# Altium PCB KlusterLab r2.0.PcbDoc (part 21 of 22)
Units mm, origin at the board's own origin, x right, y up, seen from the top; angles counter-clockwise.
Board outline 232 x 250 mm, 12 copper layers (L1 Top, L2 Inner1 (GND), L3 Inner2 (Sig), L4 Inner3 (GND), L5 Inner4 (PWR), L6 Inner5 (PWR), L7 Inner6 (PWR), L8 Inner7 (PWR), L9 Inner8 (GND), L10 Inner9 (Sig), L11 Inner10 (GND), L12 Bottom), stack 1.614 mm thick; 1169 components, 852 nets, 4679 pads, 5115 vias.
Unrouted connection lines stored in the file: 1.
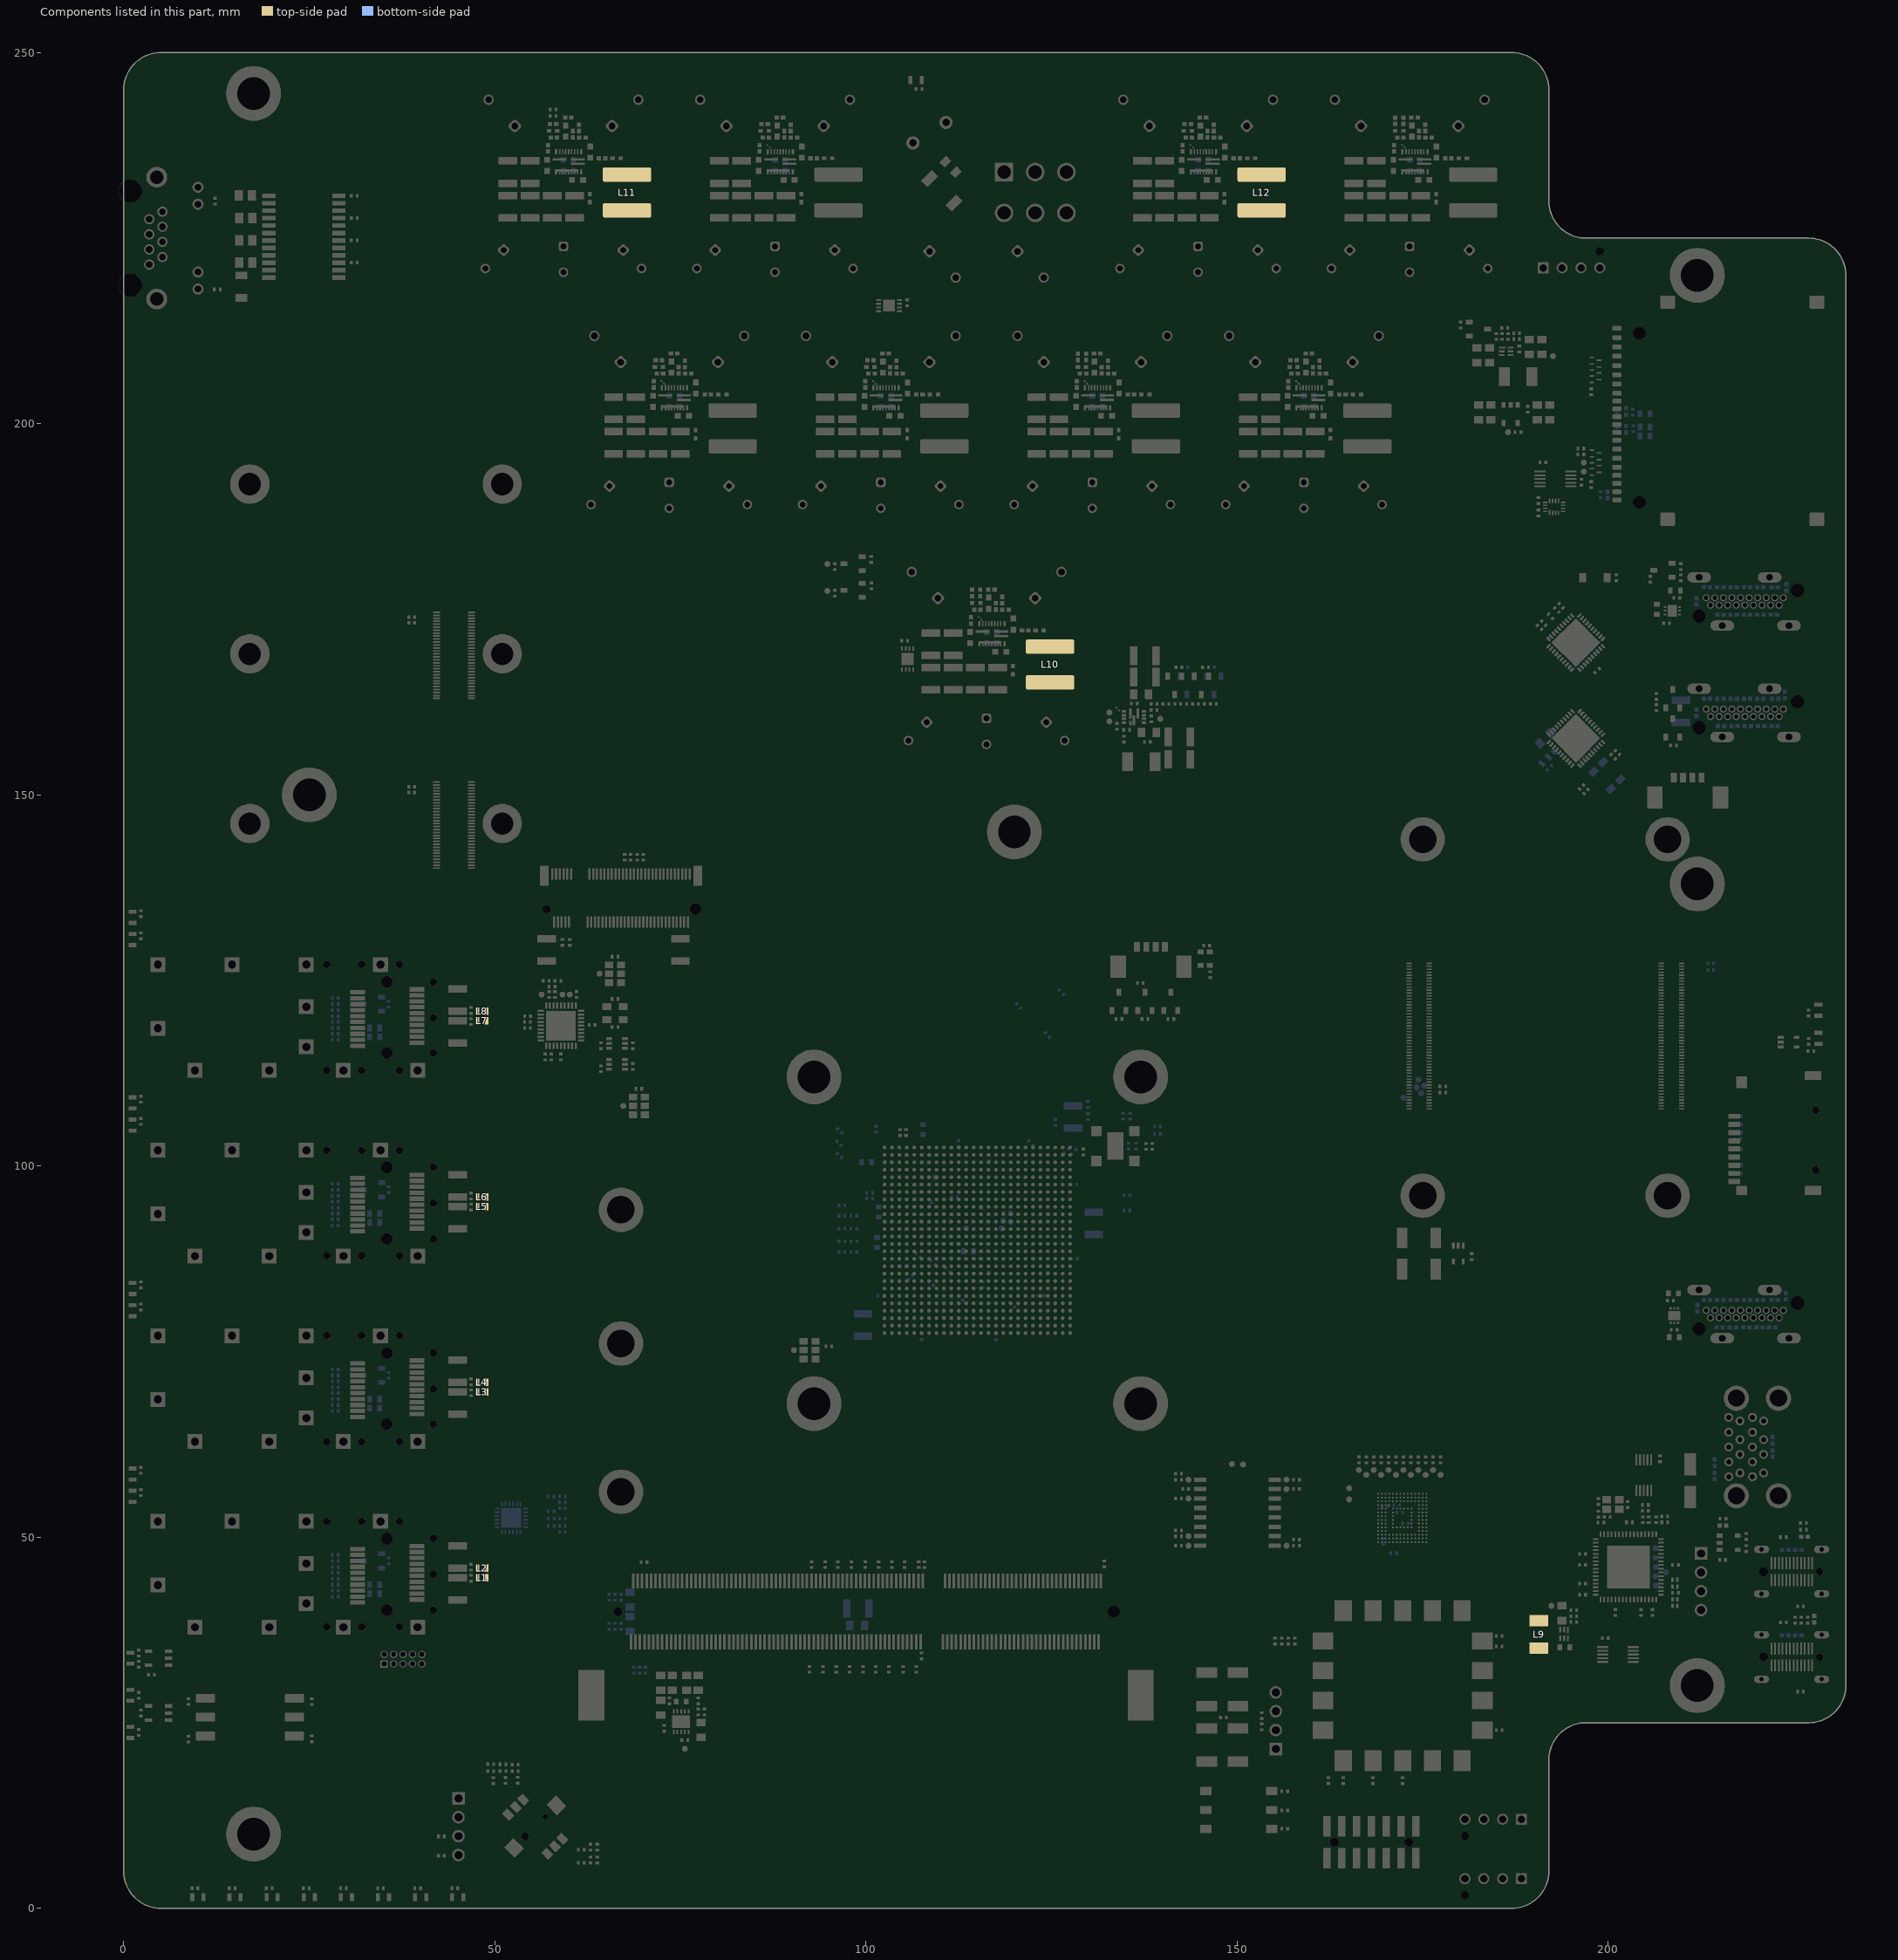
[diagram p31: the components of this part, seen from the top]

## Polygon pours and split planes (outlines as drawn) (continued)
VCC5V on L12 Bottom "L12-VCC5V" (solid, pour order 108): 137.5,129.6 137.8,129.9 143.8,129.9 144.51,130.61 147.617,130.633 148.35,129.9 152.45,129.9 152.6,129.75 152.6,128.65 152.45,128.5 148.55,128.5 147.8,127.75 144.275,127.75 143.525,128.5 137.8,128.5 137.5,128.8
GND on L12 Bottom "L12-GND" (solid, remove dead copper, pour order 247): 5,0 cw(c5,5) 0,5 0,245 cw(c5,245) 5,250 187,250 cw(c187,245) 192,245 192,230 ccw(c197,230) 197,225 227,225 cw(c227,220) 232,220 232,30 cw(c227,30) 227,25 197,25 ccw(c197,20) 192,20 192,5 cw(c187,5) 187,0
GND on L12 Bottom "L12-GND" (solid, pour order 91): 192.282,157.604 195.632,160.954 199.068,157.518 195.718,154.168
VCC12V on L12 Bottom "L12-VCC12V" (solid, pour order 231): 50.1,234.45 50,234.55 50,239.6 52.25,241.85 66,241.85 67.25,240.6 67.25,239.3 62.95,235 59.65,235 56.6,235 56.05,234.45
VCC12V on L12 Bottom "L12-VCC12V" (solid, pour order 189): 149.85,202.65 149.75,202.75 149.75,207.8 152,210.05 165.75,210.05 167,208.8 167,207.5 162.7,203.2 159.4,203.2 156.35,203.2 155.8,202.65
VCC12V on L12 Bottom "L12-VCC12V" (solid, pour order 201): 78.6,234.45 78.5,234.55 78.5,239.6 80.75,241.85 94.5,241.85 95.75,240.6 95.75,239.3 91.45,235 88.15,235 85.1,235 84.55,234.45
VCC12V on L12 Bottom "L12-VCC12V" (solid, pour order 205): 135.6,234.45 135.5,234.55 135.5,239.6 137.75,241.85 151.5,241.85 152.75,240.6 152.75,239.3 148.45,235 145.15,235 142.1,235 141.55,234.45
VCC12V on L12 Bottom "L12-VCC12V" (solid, pour order 191): 164.1,234.45 164,234.55 164,239.6 166.25,241.85 180,241.85 181.25,240.6 181.25,239.3 176.95,235 173.65,235 170.6,235 170.05,234.45
VCC12V on L12 Bottom "L12-VCC12V" (solid, pour order 193): 121.35,202.65 121.25,202.75 121.25,207.8 123.5,210.05 137.25,210.05 138.5,208.8 138.5,207.5 134.2,203.2 130.9,203.2 127.85,203.2 127.3,202.65
VCC12V on L12 Bottom "L12-VCC12V" (solid, pour order 203): 92.85,202.65 92.75,202.75 92.75,207.8 95,210.05 108.75,210.05 110,208.8 110,207.5 105.7,203.2 102.4,203.2 99.35,203.2 98.8,202.65
VCC12V on L12 Bottom "L12-VCC12V" (solid, pour order 199): 64.35,202.65 64.25,202.75 64.25,207.8 66.5,210.05 80.25,210.05 81.5,208.8 81.5,207.5 77.2,203.2 73.9,203.2 70.85,203.2 70.3,202.65
VCC12V on L12 Bottom "L12-VCC12V" (solid, pour order 187): 121.35,170.85 121.25,170.95 121.25,176 123.5,178.25 137.25,178.25 138.5,177 138.5,175.7 134.2,171.4 130.9,171.4 127.85,171.4 127.3,170.85
VCC1V0_FPGA on L12 Bottom "L12-VCC1V0_FPGA" (solid, pour order 215): 121.25,165.65 121.35,165.75 132.85,165.75 133.85,166.75 142.3,166.75 142.45,166.6 142.45,164.05 140.25,161.85 140.25,159.5 139.25,158.5 121.75,158.5 121.25,159
VCC1V5 on L12 Bottom "L12-VCC1V5" (solid, pour order 211): 78.5,229.25 78.6,229.35 90.1,229.35 91.1,230.35 99.55,230.35 99.7,230.2 99.7,227.65 97.5,225.45 97.5,223.1 96.5,222.1 79,222.1 78.5,222.6
VCC1V8 on L12 Bottom "L12-VCC1V8" (solid, pour order 223): 135.5,229.25 135.6,229.35 147.1,229.35 148.1,230.35 156.55,230.35 156.7,230.2 156.7,227.65 154.5,225.45 154.5,223.1 153.5,222.1 136,222.1 135.5,222.6
MGTAVCC on L12 Bottom "L12-MGTAVCC" (solid, pour order 221): 121.25,197.45 121.35,197.55 132.85,197.55 133.85,198.55 142.3,198.55 142.45,198.4 142.45,195.85 140.25,193.65 140.25,191.3 139.25,190.3 121.75,190.3 121.25,190.8
VCC2V5 on L12 Bottom "L12-VCC2V5" (solid, pour order 219): 164,229.25 164.1,229.35 175.6,229.35 176.6,230.35 185.05,230.35 185.2,230.2 185.2,227.65 183,225.45 183,223.1 182,222.1 164.5,222.1 164,222.6
VCC3V3 on L12 Bottom "L12-VCC3V3" (solid, pour order 217): 149.75,197.45 149.85,197.55 161.35,197.55 162.35,198.55 170.8,198.55 170.95,198.4 170.95,195.85 168.75,193.65 168.75,191.3 167.75,190.3 150.25,190.3 149.75,190.8
MGTAVTT on L12 Bottom "L12-MGTAVTT" (solid, pour order 213): 92.75,197.45 92.85,197.55 104.35,197.55 105.35,198.55 113.8,198.55 113.95,198.4 113.95,195.85 111.75,193.65 111.75,191.3 110.75,190.3 93.25,190.3 92.75,190.8
VCC1V8_AUX on L12 Bottom "L12-VCC1V8_AUX" (solid, pour order 209): 64.25,197.45 64.35,197.55 75.85,197.55 76.85,198.55 85.3,198.55 85.45,198.4 85.45,195.85 83.25,193.65 83.25,191.3 82.25,190.3 64.75,190.3 64.25,190.8
VCC5V on L12 Bottom "L12-VCC5V" (solid, pour order 207): 50,229.25 50.1,229.35 61.6,229.35 62.6,230.35 71.05,230.35 71.2,230.2 71.2,227.65 69,225.45 69,223.1 68,222.1 50.5,222.1 50,222.6
VCC12V on L12 Bottom "L12-VCC12V" (solid, pour order 197): 50.1,234.45 50,234.55 50,239.6 52.25,241.85 66,241.85 67.25,240.6 67.25,239.3 62.95,235 59.65,235 56.6,235 56.05,234.45
GND on L12 Bottom "L12-GND" (solid, pour order 179): 65.2,42.1 68.6,42.1 70,40.7 70.3,40.7 70.4,40.8 70.4,41.8 69.1,43.1 65.8,43.1 65.2,42.5
VCC1V5 on L12 Bottom "L12-VCC1V5" (solid, pour order 106): 65.2,37.8 68.6,37.8 70,39.2 70.3,39.2 70.4,39.1 70.4,38.1 69.1,36.8 65.8,36.8 65.2,37.4
GND on L12 Bottom "L12-GND" (solid, pour order 7): 192.247,170.504 195.597,173.854 198.947,170.504 195.597,167.154
VTTDDR on L12 Bottom "L12-VTTDDR" (solid, pour order 97): 65.2,41.7 68.3,41.7 68.9,41.1 68.9,38.8 68.3,38.2 65.2,38.2 65.1,38.3 65.1,41.6
VCC5V on L6 Inner5 (PWR) "L6-VCC5V" (solid, remove dead copper, pour order 235): 5,0 cw(c5,5) 0,5 0,245 cw(c5,245) 5,250 187,250 cw(c187,245) 192,245 192,230 ccw(c197,230) 197,225 227,225 cw(c227,220) 232,220 232,30 cw(c227,30) 227,25 197,25 ccw(c197,20) 192,20 192,5 cw(c187,5) 187,0
VCC1V0_FPGA on L6 Inner5 (PWR) "L6-VCC1V0_FPGA" (solid, pour order 176): 86.5,166.5 129.2,166.5 134.417,160.65 144.45,160.65 148,157.1 148,140.4 148,101.5 132.5,86 113.4,86 106.5,86 105.299,87.199 93.9,87.199 85.8,95.331 85.8,165.8
VCC1V5 on L6 Inner5 (PWR) "L6-VCC1V5" (solid, pour order 105): 67.5,218.55 78.95,230 99.85,230 100.4,229.45 100.4,210.05 85.3,194.95 85.3,173.5 85.3,95.2 93.7,86.8 103.4,86.8 104.5,86.8 105.4,86.8 106.5,85.7 132.5,85.7 132.5,81 132.5,39.9 121.1,28.5 72.5,28.5 67.5,33.5 67.5,186.8
+1V1 on L6 Inner5 (PWR) "L6-+1V1" (solid, pour order 101): 195.45,50.8 197.35,52.7 203.65,52.7 203.9,52.45 205.75,52.45 205.872,52.328 205.872,42.728 206.6,42 206.6,40.2 206.15,39.75 200.35,39.75 199.955,39.75 194.15,39.75 192.9,41.1 192.9,44.5 195.45,47.05
MGTAVCC on L7 Inner6 (PWR) "L7-MGTAVCC" (solid, pour order 114): 117.3,198.15 116.75,197.6 116.75,195.4 106.2,184.85 106.2,92.9 106.9,92.2 107.8,92.2 108.6,93 113.25,93 113.8,93.55 113.8,94.05 114.25,94.5 116.1,94.5 123.51,94.5 148.9,119.89 148.9,198.15
VCC2V5 on L7 Inner6 (PWR) "L7-VCC2V5" (solid, remove dead copper, pour order 236): 5,0 cw(c5,5) 0,5 0,84.9 106.7,84.9 107.9,86.1 113.7,86.1 114,86.4 114,94 114.2,94.2 123.8,94.2 149.15,119.55 149.15,213.15 166,230 185,230 185.722,229.278 185.722,195.978 188.2,193.5 232,193.5 232,30 cw(c227,30) 227,25 197,25 ccw(c197,20) 192,20 192,5 cw(c187,5) 187,0
VCC1V8_AUX on L7 Inner6 (PWR) "L7-VCC1V8_AUX" (solid, pour order 116): 106.5,90.8 107,91.3 107,91.7 107.294,91.994 107.894,91.994 108.3,92.4 108.3,92.6 108.4,92.7 113.6,92.7 113.7,92.6 113.7,86.7 113.4,86.4 109.7,86.4 107.4,86.4 106.2,85.2 59.5,85.2 59,85.7 59,197.702 59.448,198.15 86.283,198.15 86.7,197.752 86.7,194.45 80.9,188.65 80.9,106.9 97,90.8
GND on L7 Inner6 (PWR) "L7-GND" (solid, remove dead copper, pour order 237): 58.786,85.686 58.25,85.15 0,85.15 0,245 cw(c5,245) 5,250 187,250 cw(c187,245) 192,245 192,230 ccw(c197,230) 197,225 227,225 cw(c227,220) 232,220 232,193.7 188.3,193.7 185.9,196.1 185.9,229.4 185.093,230.204 165.904,230.204 148.95,213.25 148.9,198.35 59.4,198.35 58.786,197.75
MGTAVTT on L7 Inner6 (PWR) "L7-MGTAVTT" (solid, pour order 113): 106.45,91.1 106.75,91.4 106.75,91.85 105.9,92.7 105.9,184.9 116.5,195.5 116.5,197.6 115.95,198.15 87.3,198.15 86.9,197.75 86.9,194.25 81.3,188.65 81.3,107 97.2,91.1
VCC1V8 on L5 Inner4 (PWR) "L5-VCC1V8" (solid, remove dead copper, pour order 229): 5,0 cw(c5,5) 0,5 0,245 cw(c5,245) 5,250 187,250 cw(c187,245) 192,245 192,230 ccw(c197,230) 197,225 227,225 cw(c227,220) 232,220 232,30 cw(c227,30) 227,25 197,25 ccw(c197,20) 192,20 192,5 cw(c187,5) 187,0
NetF1_1 on L5 Inner4 (PWR) "L5-NetF1-1" (solid, remove dead copper, pour order 227): 108.75,243 109.25,243.5 126.5,243.5 129,241 129,232.75 128,231.75 116.45,231.75 108.75,239.45
VTTVREF on L5 Inner4 (PWR) "L5-VTTREF" (solid, pour order 228): 119.8,85 120,84.8 120,62.1 134.8,47.3 134.8,32.3 123.9,21.4 74.3,21.4 72.6,23.1 72.6,55.7 92.1,75.2 94.7,75.2 95,75.5 95,78.1 101.9,85
GND on L3 Inner2 (Sig) "L3-GND" (solid, remove dead copper, pour order 245): 5,0 cw(c5,5) 0,5 0,245 cw(c5,245) 5,250 187,250 cw(c187,245) 192,245 192,230 ccw(c197,230) 197,225 227,225 cw(c227,220) 232,220 232,30 cw(c227,30) 227,25 197,25 ccw(c197,20) 192,20 192,5 cw(c187,5) 187,0
VCC12V on L3 Inner2 (Sig) "L3-VCC12V" (solid, remove dead copper, pour order 112): 187.5,247.5 187.5,179.6 174.9,167 98.9,167 85.8,180.1 85.8,188.6 77.7,196.7 46.1,196.7 44.2,198.6 44.2,246.95 45.25,248 187,248
GND on L2 Inner1 (GND) "L2-GND" (solid, remove dead copper, pour order 240): 5,0 cw(c5,5) 0,5 0,245 cw(c5,245) 5,250 187,250 cw(c187,245) 192,245 192,230 ccw(c197,230) 197,225 227,225 cw(c227,220) 232,220 232,30 cw(c227,30) 227,25 197,25 ccw(c197,20) 192,20 192,5 cw(c187,5) 187,0
GND on L4 Inner3 (GND) "L4-GND" (solid, remove dead copper, pour order 241): 5,0 cw(c5,5) 0,5 0,245 cw(c5,245) 5,250 187,250 cw(c187,245) 192,245 192,230 ccw(c197,230) 197,225 227,225 cw(c227,220) 232,220 232,30 cw(c227,30) 227,25 197,25 ccw(c197,20) 192,20 192,5 cw(c187,5) 187,0
GND on L9 Inner8 (GND) "L9-GND" (solid, remove dead copper, pour order 242): 5,0 cw(c5,5) 0,5 0,245 cw(c5,245) 5,250 187,250 cw(c187,245) 192,245 192,230 ccw(c197,230) 197,225 227,225 cw(c227,220) 232,220 232,30 cw(c227,30) 227,25 197,25 ccw(c197,20) 192,20 192,5 cw(c187,5) 187,0
GND on L11 Inner10 (GND) "L11-GND" (solid, remove dead copper, pour order 243): 5,0 cw(c5,5) 0,5 0,245 cw(c5,245) 5,250 187,250 cw(c187,245) 192,245 192,230 ccw(c197,230) 197,225 227,225 cw(c227,220) 232,220 232,30 cw(c227,30) 227,25 197,25 ccw(c197,20) 192,20 192,5 cw(c187,5) 187,0
GND on L10 Inner9 (Sig) "L10-GND" (solid, remove dead copper, pour order 246): 5,0 cw(c5,5) 0,5 0,245 cw(c5,245) 5,250 187,250 cw(c187,245) 192,245 192,230 ccw(c197,230) 197,225 227,225 cw(c227,220) 232,220 232,30 cw(c227,30) 227,25 197,25 ccw(c197,20) 192,20 192,5 cw(c187,5) 187,0

## Keep-outs
L2 Inner1 (GND):
  circle w0.5: c113.5,100.5 r0.01
  circle w0.5: c112.5,100.5 r0.01
  circle w0.5: c124.5,89.5 r0.01
  circle w0.5: c124.5,90.5 r0.01
  circle w0.5: c126.5,78.5 r0.01
  circle w0.5: c126.5,79.5 r0.01
  circle w0.5: c121.5,89.5 r0.01
  circle w0.5: c120.5,89.5 r0.01
  circle w0.5: c120.5,90.5 r0.01
  circle w0.5: c121.5,91.5 r0.01
  circle w0.5: c116.5,102.5 r0.01
  circle w0.5: c115.5,102.5 r0.01
  circle w0.5: c102.5,80.5 r0.01
  circle w0.5: c102.5,81.5 r0.01
  circle w0.5: c110.5,99.5 r0.01
  circle w0.5: c109.5,99.5 r0.01
  circle w0.5: c110.5,100.5 r0.01
  circle w0.5: c110.5,101.5 r0.01
  circle w0.5: c111.5,101.5 r0.01
  circle w0.5: c111.5,102.5 r0.01
  circle w0.5: c112.5,101.5 r0.01
  circle w0.5: c113.5,101.5 r0.01
  circle w0.5: c116.5,101.5 r0.01
  circle w0.5: c115.5,101.5 r0.01
  circle w0.5: c114.5,99.5 r0.01
  circle w0.5: c115.5,99.5 r0.01
  circle w0.5: c115.5,100.5 r0.01
  circle w0.5: c114.5,100.5 r0.01
  circle w0.5: c115.5,95.5 r0.01
  circle w0.5: c115.5,96.5 r0.01
  circle w0.5: c127.5,93.5 r0.01
  circle w0.5: c126.5,93.5 r0.01
  circle w0.5: c126.5,91.5 r0.01
  circle w0.5: c126.5,92.5 r0.01
  circle w0.5: c125.5,90.5 r0.01
  circle w0.5: c125.5,89.5 r0.01
  circle w0.5: c126.5,88.5 r0.01
  circle w0.5: c127.5,88.5 r0.01
  circle w0.5: c127.5,89.5 r0.01
  circle w0.5: c126.5,89.5 r0.01
  circle w0.5: c123.5,86.5 r0.01
  circle w0.5: c124.5,85.5 r0.01
  circle w0.5: c124.5,84.5 r0.01
  circle w0.5: c125.5,84.5 r0.01
  circle w0.5: c125.5,82.5 r0.01
  circle w0.5: c123.5,82.5 r0.01
  circle w0.5: c124.5,82.5 r0.01
  circle w0.5: c125.5,81.5 r0.01
  circle w0.5: c119.5,77.5 r0.01
  circle w0.5: c119.5,78.5 r0.01
  circle w0.5: c121.5,78.5 r0.01
  circle w0.5: c121.5,79.5 r0.01
  circle w0.5: c120.5,84.5 r0.01
  circle w0.5: c119.5,84.5 r0.01
  circle w0.5: c117.5,83.5 r0.01
  circle w0.5: c116.5,83.5 r0.01
  circle w0.5: c112.5,80.5 r0.01
  circle w0.5: c112.5,81.5 r0.01
  circle w0.5: c106.5,77.5 r0.01
  circle w0.5: c105.5,77.5 r0.01
  circle w0.5: c106.5,81.5 r0.01
  circle w0.5: c106.5,82.5 r0.01
  circle w0.5: c107.5,84.5 r0.01
  circle w0.5: c106.5,84.5 r0.01
  circle w0.5: c107.5,101.5 r0.01
  circle w0.5: c106.5,101.5 r0.01
  circle w0.5: c105.5,102.5 r0.01
  circle w0.5: c104.5,102.5 r0.01
  circle w0.5: c103.5,101.5 r0.01
  circle w0.5: c102.5,101.5 r0.01
  circle w0.5: c105.5,100.5 r0.01
  circle w0.5: c104.5,100.5 r0.01
  circle w0.5: c103.5,95.5 r0.01
  circle w0.5: c102.5,95.5 r0.01
  circle w0.5: c105.5,94.5 r0.01
  circle w0.5: c104.5,94.5 r0.01
  circle w0.5: c105.5,92.5 r0.01
  circle w0.5: c104.5,92.5 r0.01
  circle w0.5: c103.5,91.5 r0.01
  circle w0.5: c102.5,91.5 r0.01
  circle w0.5: c105.5,90.5 r0.01
  circle w0.5: c104.5,90.5 r0.01
  circle w0.5: c103.5,89.5 r0.01
  circle w0.5: c102.5,89.5 r0.01
  circle w0.5: c105.5,88.5 r0.01
  circle w0.5: c104.5,88.5 r0.01
  circle w0.5: c103.5,93.5 r0.01
  circle w0.5: c102.5,93.5 r0.01
  region: 200.665,192.265 201.66,192.265 cw(c201.66,192.126) 201.799,192.126 201.799,191.749 cw(c201.665,191.749) 201.665,191.615 200.66,191.615 cw(c200.66,191.726) 200.549,191.726 200.549,192.149 cw(c200.665,192.149)
  region: 200.665,193.365 201.66,193.365 cw(c201.66,193.226) 201.799,193.226 201.799,192.849 cw(c201.665,192.849) 201.665,192.715 200.66,192.715 cw(c200.66,192.826) 200.549,192.826 200.549,193.249 cw(c200.665,193.249)
  region: 200.665,196.915 201.66,196.915 cw(c201.66,196.776) 201.799,196.776 201.799,196.399 cw(c201.665,196.399) 201.665,196.265 200.66,196.265 cw(c200.66,196.376) 200.549,196.376 200.549,196.799 cw(c200.665,196.799)
  region: 200.665,199.165 201.66,199.165 cw(c201.66,199.026) 201.799,199.026 201.799,198.649 cw(c201.665,198.649) 201.665,198.515 200.66,198.515 cw(c200.66,198.626) 200.549,198.626 200.549,199.049 cw(c200.665,199.049)
  region: 200.665,206.915 201.66,206.915 cw(c201.66,206.776) 201.799,206.776 201.799,206.399 cw(c201.665,206.399) 201.665,206.265 200.66,206.265 cw(c200.66,206.376) 200.549,206.376 200.549,206.799 cw(c200.665,206.799)
  region: 200.665,209.415 201.66,209.415 cw(c201.66,209.276) 201.799,209.276 201.799,208.899 cw(c201.665,208.899) 201.665,208.765 200.66,208.765 cw(c200.66,208.876) 200.549,208.876 200.549,209.299 cw(c200.665,209.299)
  region: 38.502,43.7 40.499,43.7 cw(c40.5,43.5) 40.7,43.499 40.7,42.1 cw(c40.499,42.099) 40.499,41.899 38.502,41.899 cw(c38.501,42.099) 38.301,42.1 38.304,43.502 cw(c38.502,43.502)
  region: 38.502,48.5 40.499,48.5 cw(c40.5,48.3) 40.7,48.299 40.7,46.9 cw(c40.499,46.899) 40.499,46.699 38.502,46.699 cw(c38.501,46.899) 38.301,46.9 38.304,48.302 cw(c38.502,48.302)
  region: 38.502,68.7 40.499,68.7 cw(c40.5,68.5) 40.7,68.499 40.7,67.1 cw(c40.499,67.099) 40.499,66.899 38.502,66.899 cw(c38.501,67.099) 38.301,67.1 38.304,68.502 cw(c38.502,68.502)
  region: 38.502,73.5 40.499,73.5 cw(c40.5,73.3) 40.7,73.299 40.7,71.9 cw(c40.499,71.899) 40.499,71.699 38.502,71.699 cw(c38.501,71.899) 38.301,71.9 38.304,73.302 cw(c38.502,73.302)
  region: 38.502,93.7 40.499,93.7 cw(c40.5,93.5) 40.7,93.499 40.7,92.1 cw(c40.499,92.099) 40.499,91.899 38.502,91.899 cw(c38.501,92.099) 38.301,92.1 38.304,93.502 cw(c38.502,93.502)
  region: 38.502,98.5 40.499,98.5 cw(c40.5,98.3) 40.7,98.299 40.7,96.9 cw(c40.499,96.899) 40.499,96.699 38.502,96.699 cw(c38.501,96.899) 38.301,96.9 38.304,98.302 cw(c38.502,98.302)
  region: 38.502,118.7 40.499,118.7 cw(c40.5,118.5) 40.7,118.499 40.7,117.1 cw(c40.499,117.099) 40.499,116.899 38.502,116.899 cw(c38.501,117.099) 38.301,117.1 38.304,118.502 cw(c38.502,118.502)
  region: 38.502,123.5 40.499,123.5 cw(c40.5,123.3) 40.7,123.299 40.7,121.9 cw(c40.499,121.899) 40.499,121.699 38.502,121.699 cw(c38.501,121.899) 38.301,121.9 38.304,123.302 cw(c38.502,123.302)
  region: 209.5,123 210.2,123 210.2,122.8 209.5,122.8
  region: 209.5,123.4 210.2,123.4 210.2,123.2 209.5,123.2
  region: 209.5,124.2 210.2,124.2 210.2,124 209.5,124
  region: 209.5,124.6 210.2,124.6 210.2,124.4 209.5,124.4
  region: 209.5,125.4 210.2,125.4 210.2,125.2 209.5,125.2
  region: 209.5,125.8 210.2,125.8 210.2,125.6 209.5,125.6
  region: 130.6,34.9 130.6,36.9 130.9,36.9 130.9,34.9
  region: 130,34.9 130,36.9 130.3,36.9 130.3,34.9
  region: 128.8,34.9 128.8,36.9 129.1,36.9 129.1,34.9
  region: 128.2,34.9 128.2,36.9 128.5,36.9 128.5,34.9
  region: 127,34.9 127,36.9 127.3,36.9 127.3,34.9
  region: 126.4,34.9 126.4,36.9 126.7,36.9 126.7,34.9
  region: 125.2,34.9 125.2,36.9 125.5,36.9 125.5,34.9
  region: 124.6,34.9 124.6,36.9 124.9,36.9 124.9,34.9
  region: 123.4,34.9 123.4,36.9 123.7,36.9 123.7,34.9
  region: 122.8,34.9 122.8,36.9 123.1,36.9 123.1,34.9
  region: 121.6,34.9 121.6,36.9 121.9,36.9 121.9,34.9
  region: 121,34.9 121,36.9 121.3,36.9 121.3,34.9
  region: 119.8,34.9 119.8,36.9 120.1,36.9 120.1,34.9
  region: 119.2,34.9 119.2,36.9 119.5,36.9 119.5,34.9
  region: 118,34.9 118,36.9 118.3,36.9 118.3,34.9
  region: 116.8,34.9 116.8,36.9 117.1,36.9 117.1,34.9
  region: 116.2,34.9 116.2,36.9 116.5,36.9 116.5,34.9
  region: 115,34.9 115,36.9 115.3,36.9 115.3,34.9
  region: 114.4,34.9 114.4,36.9 114.7,36.9 114.7,34.9
  region: 113.2,34.9 113.2,36.9 113.5,36.9 113.5,34.9
  region: 112.6,34.9 112.6,36.9 112.9,36.9 112.9,34.9
  region: 111.375,34.925 111.375,36.925 111.675,36.925 111.675,34.925
  region: 110.8,34.9 110.8,36.9 111.1,36.9 111.1,34.9
  region: 107.2,34.9 107.2,36.9 107.5,36.9 107.5,34.9
  region: 106,34.9 106,36.9 106.3,36.9 106.3,34.9
  region: 105.4,34.9 105.4,36.9 105.7,36.9 105.7,34.9
  region: 104.2,34.9 104.2,36.9 104.5,36.9 104.5,34.9
  region: 103.625,34.925 103.625,36.925 103.925,36.925 103.925,34.925
  region: 102.4,34.9 102.4,36.9 102.7,36.9 102.7,34.9
  region: 101.8,34.9 101.8,36.9 102.1,36.9 102.1,34.9
  region: 100.625,34.925 100.625,36.925 100.925,36.925 100.925,34.925
  region: 100,34.9 100,36.9 100.3,36.9 100.3,34.9
  region: 98.8,34.9 98.8,36.9 99.1,36.9 99.1,34.9
  region: 98.2,34.9 98.2,36.9 98.5,36.9 98.5,34.9
  region: 97,34.9 97,36.9 97.3,36.9 97.3,34.9
  region: 96.4,34.9 96.4,36.9 96.7,36.9 96.7,34.9
  region: 95.2,34.9 95.2,36.9 95.5,36.9 95.5,34.9
  region: 94.6,34.9 94.6,36.9 94.9,36.9 94.9,34.9
  region: 93.4,34.9 93.4,36.9 93.7,36.9 93.7,34.9
  region: 90.4,34.9 90.4,36.9 90.7,36.9 90.7,34.9
  region: 89.8,34.9 89.8,36.9 90.1,36.9 90.1,34.9
  region: 88.6,34.9 88.6,36.9 88.9,36.9 88.9,34.9
  region: 87.4,34.9 87.4,36.9 87.7,36.9 87.7,34.9
  region: 86.8,34.9 86.8,36.9 87.1,36.9 87.1,34.9
  region: 85.6,34.9 85.6,36.9 85.9,36.9 85.9,34.9
  region: 85,34.9 85,36.9 85.3,36.9 85.3,34.9
  region: 83.8,34.9 83.8,36.9 84.1,36.9 84.1,34.9
  region: 83.2,34.9 83.2,36.9 83.5,36.9 83.5,34.9
  region: 82,34.9 82,36.9 82.3,36.9 82.3,34.9
  region: 81.4,34.9 81.4,36.9 81.7,36.9 81.7,34.9
  region: 80.2,34.9 80.2,36.9 80.5,36.9 80.5,34.9
  region: 79.6,34.9 79.6,36.9 79.9,36.9 79.9,34.9
  region: 78.4,34.9 78.4,36.9 78.7,36.9 78.7,34.9
  region: 77.2,34.9 77.2,36.9 77.5,36.9 77.5,34.9
  region: 76.6,34.9 76.6,36.9 76.9,36.9 76.9,34.9
  region: 75.4,34.9 75.4,36.9 75.7,36.9 75.7,34.9
  region: 74.8,34.9 74.8,36.9 75.1,36.9 75.1,34.9
  region: 73.6,34.9 73.6,36.9 73.9,36.9 73.9,34.9
  region: 73,34.9 73,36.9 73.3,36.9 73.3,34.9
  region: 71.8,34.9 71.8,36.9 72.1,36.9 72.1,34.9
  region: 71.2,34.9 71.2,36.9 71.5,36.9 71.5,34.9
  region: 127.325,43.075 127.325,45.075 127.625,45.075 127.625,43.075
  region: 126.675,43.075 126.675,45.075 126.975,45.075 126.975,43.075
  region: 125.5,43.1 125.5,45.1 125.8,45.1 125.8,43.1
  region: 124.9,43.1 124.9,45.1 125.2,45.1 125.2,43.1
  region: 123.7,43.1 123.7,45.1 124,45.1 124,43.1
  region: 123.1,43.1 123.1,45.1 123.4,45.1 123.4,43.1
  region: 121.9,43.1 121.9,45.1 122.2,45.1 122.2,43.1
  region: 121.3,43.1 121.3,45.1 121.6,45.1 121.6,43.1
  region: 120.1,43.1 120.1,45.1 120.4,45.1 120.4,43.1
  region: 119.5,43.1 119.5,45.1 119.8,45.1 119.8,43.1
  region: 118.3,43.1 118.3,45.1 118.6,45.1 118.6,43.1
  region: 117.7,43.1 117.7,45.1 118,45.1 118,43.1
  region: 116.5,43.1 116.5,45.1 116.8,45.1 116.8,43.1